# Allegro board ultrasound_tnr_1000a_01_20171121.brd (continued)
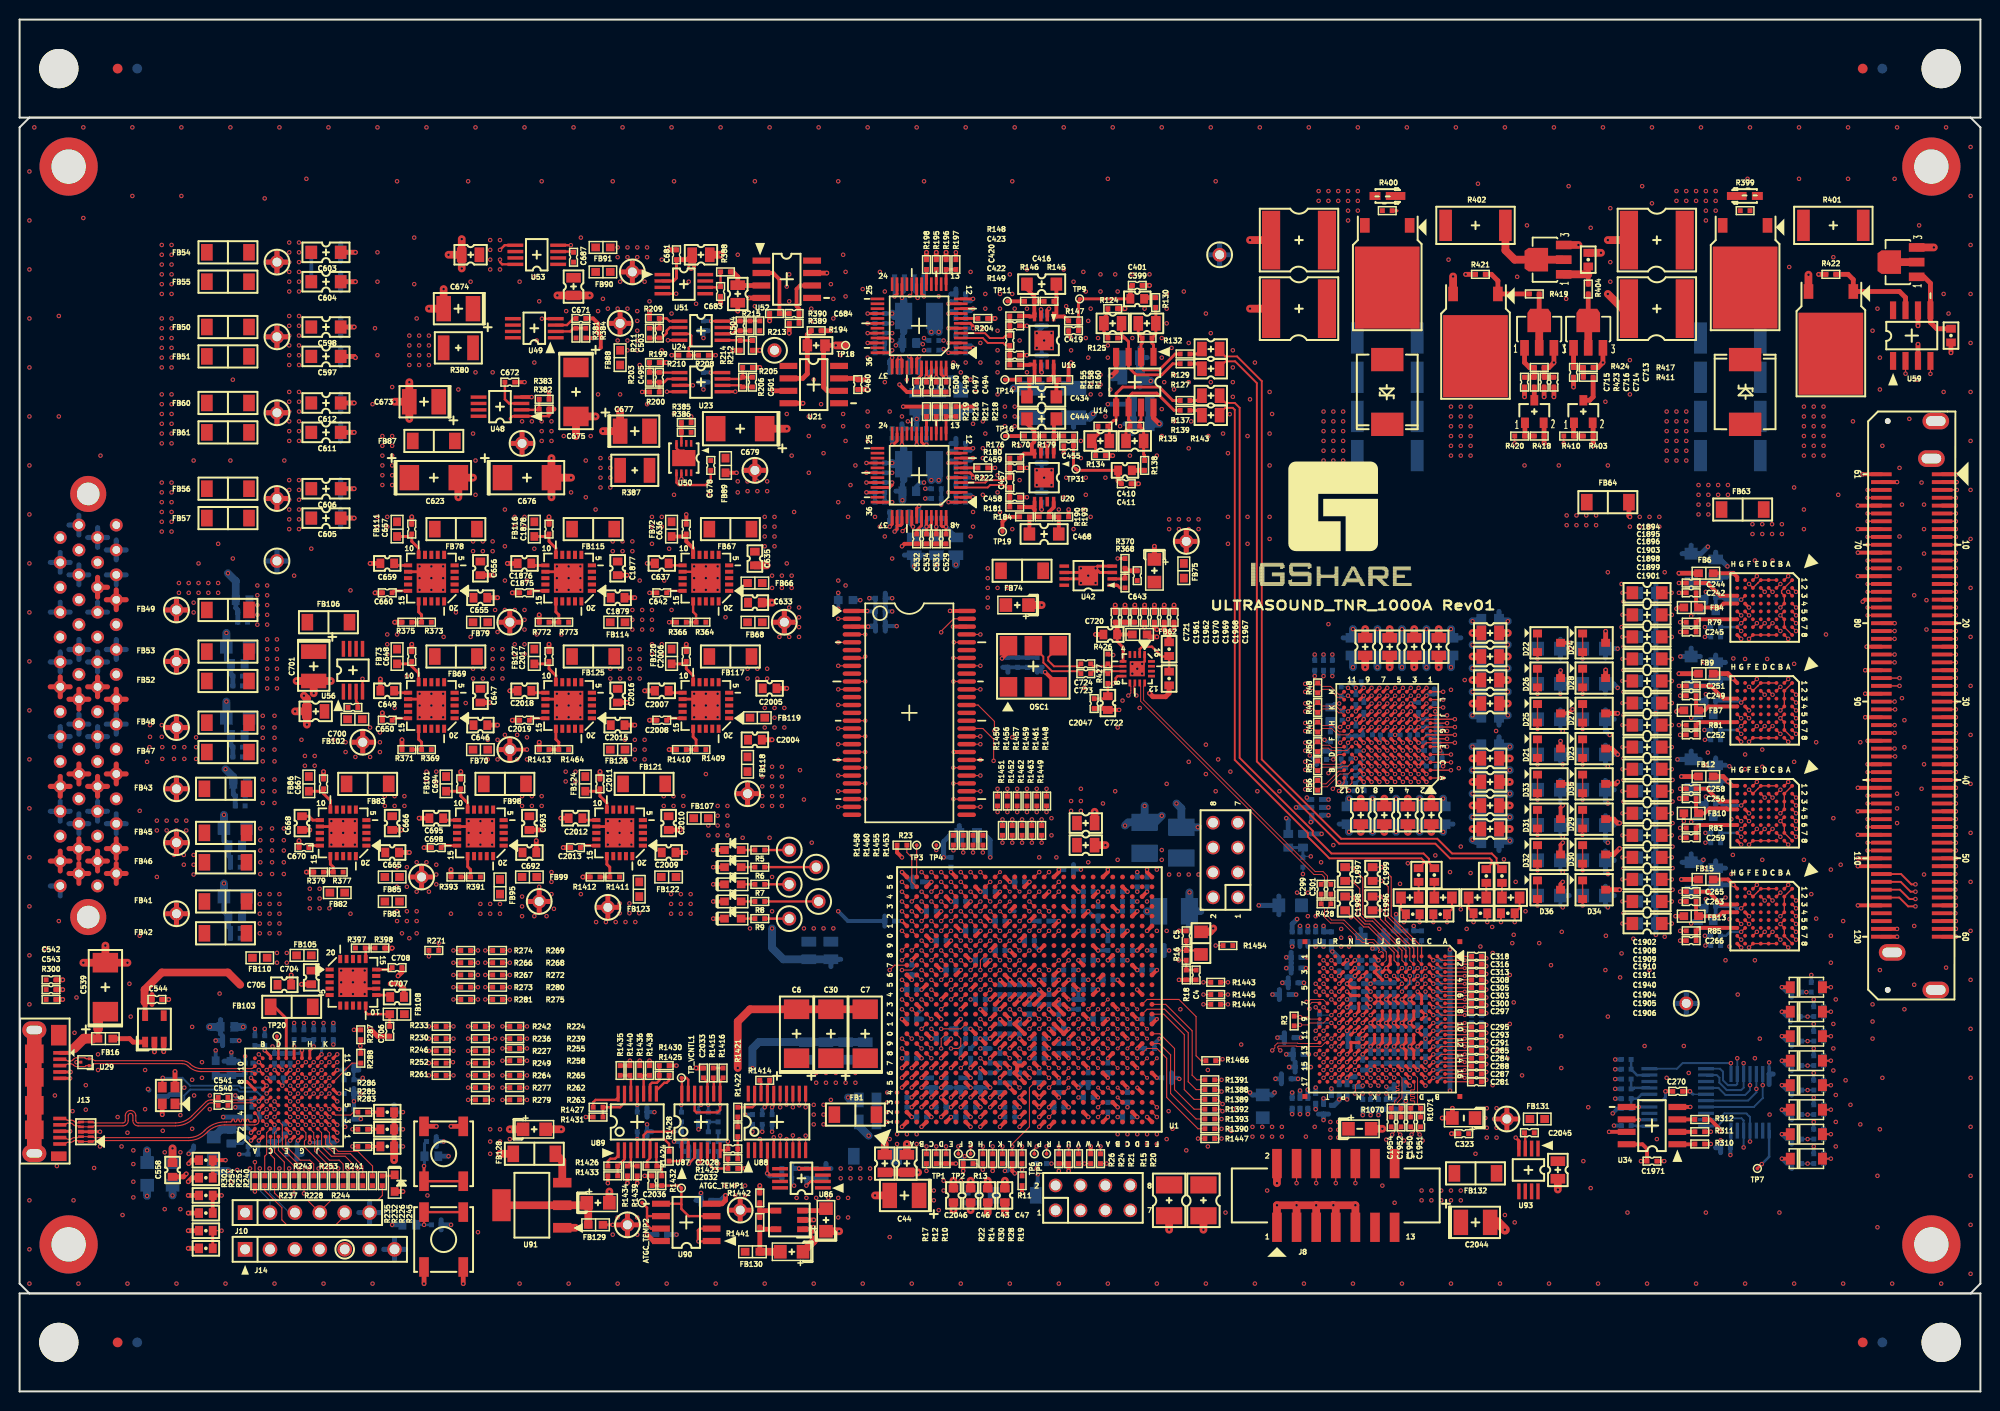
[diagram p0: board, top side]
## Routing (per net, layer and track width the routed paths; a pad name or vN(x,y) marks a point on that pad's centre or on a via; arc(x,y) is an arc through that point) (continued)
  BOTTOM w0.5: v1(131.7,58.1) 131.8,58.2 C219.2 ; C389.2 v1(127.8,40.5) ; v1(138,45.2) 138.26,45.2 C325.2 ; C557.1 v1(20.77,28) ; R1039.1 v1(166.9,64.6) ; C611.2 v1(34.12,97.88) ; v1(163,71.8) 162.6,72.2 L9.1 ; C2023.2 v1(68.25,23.25) ; L16.1 161.76,49.64 v1(162,49.4) ; v1(128,30.5) 127.76,30.26 C394.2 125.74,30.26 v1(125.5,30.5) ; C365.2 130.6,45.4 ; C352.2 v1(138.6,37.6) C327.2 ; C50.2 108.5,31.5 v1(108,31) ; C392.2 v1(128.3,36.1) ; R1074.1 129.4,58.3 v1(129.2,58.5) ; C328.2 v1(141.8,37.6) C326.2 142.2,38.3 142.3,38.4 C337.2 C336.2 ; v1(131.3,60.6) 131.5,60.4 C222.2 ; C369.2 v1(129.8,28.3) ; L11.1 161.76,56.24 v1(162,56) ; C346.2 v1(139.4,37.6) C351.2 ; R1031.1 v1(166.9,71.4) ; C376.2 v1(133,45.4) ; C347.2 v1(141,37.6) C344.2 ; C356.2 C357.2 v1(138.6,28.2) ; C370.2 v1(134.6,29.8) 134.6,29.7 134.1,29.2 C372.2 ; R1047.1 v1(166.9,46.6) ; C382.2 138.7,43.1 v1(138.6,43.2) C383.2 ; C386.2 v1(129.2,44.3) ; C391.2 v1(129.2,34.4) ; v1(94.25,54.5) 94.25,56.11 94.89,56.75 C76.2 ; C626.2 C627.2 21.3,54.7 C625.2 20.84,56.21 C628.2 ; v1(162,52.8) 161.76,53.04 L15.1 ; C348.2 v1(141.8,32.8) ; C262.2 v1(171.9,63.9) ; C360.2 C354.2 C333.2 v1(141,32.8) ; R1024.1 v1(166.9,78.1) ; C617.1 21.8,60.95 C619.1 C618.1 ; C374.2 v1(126.4,49.6) ; v1(17.25,24.25) 17.75,24.75 17.75,25.05 ; C322.2 v1(137.8,32.8) C362.2 C361.2 ; C339.2 C324.2 135.5,36.7 v1(135.4,36.8) ; C377.2 v1(129.8,45.4) ; C599.2 21.09,74.71 C600.2 21.55,73.2 C601.2 C602.2 ; v1(162,63.8) 161.76,64.04 L3.1 ; C631.2 C632.2 21.55,65.95 C630.2 21.09,67.46 C629.2 ; C604.2 v1(34.25,113.25) ; R1026.1 v1(166.9,75.9) ; R1022.1 v1(166.9,80.4) ; C353.2 v1(137.8,37.6) ; C364.2 v1(137.8,41.6) ; v1(137,31.2) 136.9,31.1 C373.2 ; C268.2 171.5,54 v1(171.75,54.25) ; v1(136.2,42.4) 136.1,42.3 C380.2 ; v1(135.4,40) C340.2 C343.2 ; C562.1 22.4,29.8 v1(22,30.2) ; L5.1 161.76,67.44 v1(162.2,67) ; L13.1 161.76,60.24 v1(162,60) ; C367.2 131.4,45.4 ; v1(13.1,30.85) 13.2,30.75 ; C332.2 C331.2 C329.2 ; C597.2 34.12,105.62 v1(34.25,105.5) ; C341.2 v1(135.4,39.2) ; C387.2 v1(129.2,43.2) ; R1057.1 v1(166.9,55.6) ; C546.1 v1(32,37.6) ; C390.2 v1(128.1,31.9) ; C379.2 v1(132.2,28.8) ; C363.2 v1(137,28.2) ; C247.2 171.5,85.5 v1(172.2,86.2) ; C255.2 v1(171.8,74.4) ; C368.2 v1(131.4,28.3) ; C378.2 v1(130.6,28.3) ; R1053.1 v1(166.9,60.1) ; C385.2 v1(135.4,29.8) ; R1045.1 v1(166.9,48.9) ; C393.2 v1(129.5,33.1) ; C381.2 134.6,44.2 v1(133.9,44.9) 133.8,45 C371.2 ; C615.2 C614.2 21.3,47.45 C613.2 20.84,48.96 C616.2 ; R1465.1 132.85,65.35 132.8,65.4 ; C384.2 v1(133,27.7) ; R1037.1 v1(166.9,66.9) ; C269.2 v1(171.85,53.4) ; R1043.1 v1(166.9,51.1) ; C612.2 v1(34.12,100.88) ; C549.1 v1(20,35.8) ; C536.1 v1(44,17) ; C350.2 v1(140.2,37.6) C345.2 ; v1(141.39,29.65) 141.39,29.49 140.7,28.8 C355.2 ; R1033.1 v1(166.9,69.2) ; C606.2 v1(34.12,92.12) ; C596.2 C595.2 22.25,79.75 22.05,79.95 C594.2 ; C2025.2 v1(69.25,26.75) ; C359.2 v1(137.8,28.2) ; C397.2 v1(111,100.75) ; C320.2 v1(142.6,32.8) ; C248.2 173.5,84.9 v1(174.2,84.2) ; L6.1 v1(163,75.8) ; R1051.1 v1(166.9,62.4) ; C338.2 v1(143.4,36) C335.2 ; C561.1 v1(22,29) ; C375.2 v1(132.2,45.4) ; C261.2 v1(169.1,64.5) ; R1437.1 v1(66.75,25.5) ; R1040.1 v1(166.9,73.6) ; C254.2 v1(169.4,75) ; C598.2 v1(34.12,108.62) ; C2038.2 v1(69.5,20.25) ; C2037.2 v1(67,16) ; C535.2 v1(43.25,25.5) ; v1(145.9,45.1) C319.1 C317.1 C315.1 C310.1 C306.1 C304.1 C302.1 C298.1 C296.1 C294.1 C292.1 C290.1 C289.1 C283.1 C282.1 C286.1 v1(145.9,30.7) ; C223.2 v1(130.2,59.6) ; C388.2 v1(128.8,41.7) ; R1041.1 v1(166.9,53.4) ; R1055.1 v1(166.9,57.9) ; C550.1 v1(34.8,27.8) ; C605.2 v1(34.12,89.12) ; C603.2 v1(34.25,116.25) ; C366.2 v1(138.6,44)
  BOTTOM w0.508: 150.9,57.6 C148.2 150.9,59.6 ; 150.9,68 C168.2 150.9,70 ; 150.9,79.6 C164.2 150.9,77.6 ; 115.02,103.5 C403.2 114.28,102.5 ; 150.9,60 C141.2 150.9,62 ; 150.9,72.8 C170.2 150.9,74.8 ; 146.2,57.9 C155.2 144.2,57.9 ; 150.9,62.4 C147.2 150.9,64.4 ; 150.9,70.4 C169.2 150.9,72.4 ; 174,53.4 C269.2 173,54.15 ; 96,99.35 C493.2 97,100.1 ; 139.5,76.9 C174.2 137.5,76.9 ; 173,85.65 C248.2 172,84.9 ; 134.6,57.9 C150.2 136.6,57.9 ; 135,76.9 C177.2 137,76.9 ; 114.28,106.5 C402.2 115.02,105.5 ; 150.9,77.2 C171.2 150.9,75.2 ; 82.75,43.35 C113.2 83.75,44.1 ; 137,57.9 C156.2 139,57.9 ; 150.9,57.2 C149.2 150.9,55.2 ; 142.5,76.9 C175.2 144.5,76.9 ; 145,76.9 C179.2 147,76.9 ; 90.25,85.35 C533.2 92.25,85.35 ; 112.73,98.75 C395.2 113.47,97.75 ; 174,74.4 C255.2 173,75.15 ; 150.9,64.8 C145.2 150.9,66.8 ; 141.8,57.9 C151.2 143.8,57.9 ; 141.4,57.9 C157.2 139.4,57.9 ; 128.44,50.55 C374.2 128.44,48.65 ; 173,64.65 C262.2 174,63.9 ; 139.16,47.05 C325.2 139.16,45.15 ; 95.85,55.75 C76.2 95.85,57.75 ; 142,76.9 C178.2 140,76.9
  BOTTOM w0.515: 167.65,59 R1055.1 166.9,59.87 ; 96,30.5 C116.2 95.5,31 ; C538.2 16.3,30.3 ; C538.2 15.29,30.3 ; C538.2 15.8,30.8 ; 91.5,28.5 C124.2 91.5,27.5 ; 110.5,41.5 C100.2 110.5,42.51 ; 94.5,30.5 C119.2 95,31 ; 99.5,30.5 C118.2 100.5,30.5 ; 20.7,36.3 C549.1 20.7,35.3 ; 116.75,45.51 C101.2 116.75,44.49 ; 82.25,23.26 C2022.2 82.75,22.75 ; 94.5,28.5 C126.2 94.5,29.5 ; 99.5,47.49 C62.2 99.5,48.51 ; 141.71,30.5 C330.2 141.2,30 ; J14.7 38.24,15.6 ; J14.7 39.34,14.5 ; J14.7 38.24,13.4 ; J14.7 37.14,14.5 ; 94.5,43.51 C75.2 94.5,42.49 ; 3.13,79.53 J12.45 ; J12.45 4.14,80.54 ; J12.45 5.15,79.53 ; 167.65,74.75 R1040.1 166.9,75.62 ; 20.5,36.45 C564.1 20.5,37.95 ; 8.85,83.33 J12.52 ; J12.52 9.86,82.32 ; J12.52 10.87,83.33 ; 4.14,50.57 J12.1 3.13,51.59 ; 104.75,91.75 C452.2 103.75,91.75 ; 167.65,68 R1037.1 166.9,68.87 ; 166.9,55.37 R1041.1 167.65,54.5 ; 170.5,65.35 C261.2 171.42,64.5 ; 144.3,71.7 C229.2 143.79,71.2 ; 129.9,34.91 C391.2 129.9,33.89 ; 25.19,84.75 TH14.1 ; TH14.1 27.31,84.75 ; TH14.1 26.25,85.81 ; TH14.1 26.25,83.69 ; 93.5,36.5 C111.2 93.5,35.5 ; 109.5,31.5 C50.2 109,31 ; 161.76,76.75 L6.1 161.76,74.85 ; 78.75,23.26 C2024.2 79.25,22.75 ; 88.3,79.09 C719.1 88.3,80.11 ; 166.9,62.12 R1053.1 167.65,61.25 ; 88.3,78.61 C718.1 88.3,77.59 ; 5.04,88.42 6.05,88.42 ; 6.05,88.42 6.05,89.43 ; 6.05,88.42 6.05,87.4 ; J10.6 36.8,18.25 ; J10.6 35.7,17.15 ; J10.6 34.6,18.25 ; J10.6 35.7,19.35 ; 34.1,30.91 C548.1 34.1,29.89 ; 167.65,70.25 R1033.1 166.9,71.12 ; 171.5,81 C243.2 172,80.5 ; 32.75,109.55 C598.2 32.75,107.7 ; 167.65,50 R1045.1 166.9,50.87 ; 97.5,31 C117.2 98,30.5 ; 169.58,85.5 C247.2 170.5,86.35 ; 144.3,66.7 C221.2 144.81,66.2 ; 98.5,50.49 C79.2 98.5,51.51 ; J12.53 4.14,85.62 ; J12.53 4.14,83.59 ; J12.53 3.13,84.61 ; J12.53 5.15,84.61 ; 90.05,106.25 C514.2 90.05,107.75 ; 128.5,40 C389.2 128.5,41 ; 172,48.99 C264.2 171.5,49.5 ; 180.62,37.75 C273.2 180.62,38.75 ; 31.5,25.91 C551.1 31.5,24.89 ; 111.5,50.49 C80.2 111.5,51.51 ; 169.58,54 C268.2 170.5,54.85 ; 89.39,91.88 C478.2 90.05,92.62 ; 166.9,77.87 R1026.1 167.65,77 ; 91.5,42.5 C64.2 90.5,42.5 ; 166.9,57.62 R1057.1 167.65,56.75 ; 91.1,51.49 C69.2 91.1,52.51 ; 161.76,65.95 L3.1 162.65,65 ; 103.5,31.5 C74.2 104.5,31.5 ; 104.31,73.9 C1965.2 103.8,73.4 ; 132.5,28.3 C384.2 133.5,28.3 ; 180.75,32.75 C275.2 180.75,33.75 ; 110.5,48.5 C98.2 110,47.99 ; 43,16.5 C536.1 43,17.5 ; 101.5,52.51 C81.2 101.5,51.49 ; J12.46 7.95,80.54 ; J12.46 6.94,79.53 ; J12.46 8.96,79.53 ; 66,15.5 C2037.2 66,16.5 ; 38.2,25.75 R278.1 38.2,24.25 ; 180.75,41.25 C272.2 180.75,40.25 ; 172,70 C250.2 171.5,70.5 ; 64.5,26.5 C2034.2 64,25.99 ; 166.9,53.12 R1043.1 167.65,52.25 ; 112.5,27.5 C59.2 112.5,28.5 ; 109.5,37.5 C52.2 109.5,38.5 ; 157.16,73.15 L8.1 158.05,72.2 ; 99.5,44.49 C63.2 99.5,45.51 ; 42.5,24.99 C535.2 42.5,26 ; 162.65,50.6 L16.1 161.76,51.55 ; 140.09,47 C2000.1 140.6,47.51 ; 157.16,55.15 L14.1 158.05,54.2 ; 166.9,64.37 R1051.1 167.65,63.5 ; 105.5,29.5 C57.2 105.5,28.5 ; 103.75,94.75 C462.1 104.75,94.75 ; 91,98.25 C511.2 91.5,98.75 ; 161.76,69.55 L5.1 162.65,68.6 ; 168.94,39.6 TH13.1 ; TH13.1 170,38.54 ; TH13.1 171.06,39.6 ; TH13.1 170,40.66 ; 38.2,27.75 R290.1 38.2,29.25 ; 95,112 C486.2 95.5,112.5 ; 157.16,69.55 L4.1 158.05,68.6 ; 112.5,29.5 C51.2 113.5,29.5 ; 88.3,80.44 C717.1 88.3,81.45 ; 103.75,108.75 C428.1 104.75,108.75 ; 161.76,58.75 L11.1 162.65,57.8 ; 20.85,33.7 C556.1 22.35,33.7 ; 108.5,30.5 C53.2 108.5,29.5 ; 105.5,42.51 C26.2 105.5,41.5 ; 69,19.5 C2038.2 69.5,18.99 ; 171.5,60 C257.2 172,59.49 ; 106.5,36.5 C42.2 106.5,37.5 ; 93.5,45.49 C65.2 93.5,46.51 ; 64,29 C2035.2 64,28 ; 166.9,80.12 R1024.1 167.65,79.25 ; 102.5,38.5 C9.2 103.5,38.5 ; 109.5,43.49 C86.2 109.5,44.51 ; 93,30.5 C115.2 93.5,31 ; 110.5,32.5 C49.2 111.5,32.5 ; 68,25.5 R1437.1 67.5,24.99 ; 97.5,39.5 C17.2 97.5,40.5 ; 141.71,31.3 C349.2 141.2,31.8 ; 107.5,52.74 C96.2 107.5,53.76 ; 117.5,31.5 C56.2 117.5,32.5 ; 32.75,117.17 C603.2 32.75,115.33 ; 88.25,48.51 C109.2 88.25,47.49 ; 104.75,105.75 C418.2 103.75,105.75 ; 95.5,50.51 C67.2 95.5,49.49 ; 32.75,91.2 C606.2 32.75,93.05 ; 122.4,114.94 TH12.1 ; TH12.1 121.34,116 ; TH12.1 122.4,117.06 ; TH12.1 123.46,116 ; 90,98.75 C509.2 90.5,98.25 ; 129,36.61 C392.2 129,35.59 ; 38.2,27.5 R284.1 38.2,26 ; 69.25,103 C491.2 70.25,103 ; 129.7,42.7 C387.2 129.7,43.7 ; 108.5,40 C32.2 107.5,40 ; 92.5,49.51 C66.2 92.5,48.49 ; 69.25,108.25 C502.2 70.25,108.25 ; C537.2 15.11,30.1 ; C537.2 14.1,30.1 ; C537.2 14.6,29.59 ; 95,37 C112.2 95.5,36.5 ; 180.75,27.75 C278.2 180.75,28.75 ; 114.5,43.51 C103.2 114.5,42.49 ; 166.9,66.62 R1039.1 167.65,65.75 ; 97.5,43.49 C73.2 97.5,44.51 ; 161.76,62.35 L13.1 162.65,61.4 ; 90.5,41.5 C108.2 90.5,40.5 ; 32.75,90.05 C605.2 32.75,88.2 ; 32.75,114.17 C604.2 32.75,112.33 ; 96.5,47.51 C70.2 96.5,46.49 ; 6.05,82.32 J12.51 ; J12.51 7.06,83.33 ; J12.51 6.05,84.35 ; J12.51 5.04,83.33 ; 180.75,22.74 C280.2 180.75,23.76 ; 25.5,25.5 C553.1 26,24.99 ; 157.16,76.75 L7.1 157.16,74.85 ; 101.75,23.25 R29.2 100.75,23.25 ; 173.5,24.37 C271.2 173,24.88 ; 112.5,47.51 C90.2 112.5,46.49 ; 106.5,30.5 C72.2 105.5,30.5 ; 128.7,31.39 C390.2 128.7,32.41 ; 170.5,75.85 C254.2 171.42,75 ; 107.5,98.37 C429.2 105.95,99.38 ; 90.5,34.5 C107.2 90.5,33.5 ; 129.7,44.8 C386.2 129.7,43.8 ; 129.4,42.2 C388.2 129.4,41.2 ; 32.75,106.55 C597.2 32.75,104.7 ; 109.5,46.49 C89.2 109.5,47.51 ; 95.5,28.5 C125.2 95.5,27.5 ; 167.65,81.5 R1022.1 166.9,82.37 ; 158.05,65 L2.1 157.16,65.95 ; 115.5,37.5 C48.2 115.5,38.5 ; 158.05,50.6 L17.1 157.16,51.55 ; 166.9,48.62 R1047.1 167.65,47.75 ; 161.76,71.25 L9.1 161.76,73.15 ; 180.75,30.25 C277.2 180.75,31.25 ; 34.1,33.3 C574.1 34.6,32.8 ; 95.5,97.25 C517.2 95,96.75 ; 162.65,54.2 L15.1 161.76,55.15 ; 68.25,25.01 C2023.2 67.75,24.5 ; 96.25,19.25 R32.2 96.75,18.74 ; 144.5,67.3 C227.2 145,67.8 ; 32.75,99.95 C612.2 32.75,101.8 ; 130.1,33.61 C393.2 130.1,32.59 ; 132.3,65 R66.2 132.3,63.99 ; 100.3,73.9 C1963.2 100.8,73.4 ; 180.75,26.25 C279.2 180.75,25.24 ; 180.75,35.25 C274.2 180.75,36.25 ; 102.5,45.49 C88.2 102.5,46.51 ; 167.65,72.5 R1031.1 166.9,73.37 ; 32.75,96.95 C611.2 32.75,98.8 ; 98.5,34.5 C8.2 99,35 ; 178.45,31.32 U9.7 178.87,32.39 ; 28.3,23.7 C567.1 28.8,24.2 ; 157.16,58.75 L10.1 158.05,57.8 ; 91.5,37.5 C110.2 92,38 ; 158.05,61.4 L12.1 157.16,62.35
  BOTTOM w0.762: 90.18,96.22 C477.2 90.18,93.03 ; 90.18,108.15 C513.2 90.18,111.35 ; 120.45,49 C106.2 119.32,47.4
  BOTTOM w0.8: C609.2 C29.2 C610.2 C31.2 75.4,35.65 74.75,35 v1(74.75,33) ; C156.2 v1(138,57.1) ; C113.2 C77.2 77.9,44.1 76.75,45.25 v1(76.75,47.25) ; C105.2 115.82,58.07 v1(116.5,58.75) ; C105.2 113.07,58.07 v1(112.75,57.75) ; C105.2 v1(114.75,59.75) ; C599.2 v1(21.09,77.41) ; C395.2 C397.2 ; v1(21,63.5) 21.8,62.7 C617.1 ; C478.2 v1(90.05,90.95) ; v1(86.6,26.1) 85.6,27.1 C120.2 ; C168.2 v1(151.8,69) ; v1(21.25,83.5) 22.05,82.7 C594.2 ; C477.2 89.12,94.62 v1(89,94.75) ; v1(109.5,99.75) 109.12,99.38 C429.2 ; C106.2 v1(119.32,50.93) ; C564.1 v1(19.4,37.2) ; C616.2 v1(20.84,51.84) ; C141.2 v1(152,61) ; v1(118,60) 118.5,59.5 C92.2 v1(120.18,57.57) ; C170.2 v1(151.8,73.8) ; C528.2 v1(95.5,84.38) ; C628.2 v1(20.84,58.84) ; C148.2 v1(152,58.6) ; C169.2 v1(151.8,71.4) ; C178.2 v1(141,77.8) ; C493.2 C496.2 C498.2 v1(91.5,99.25) ; v1(115.37,103.12) 114.65,103.12 C403.2 C402.2 ; v1(84.5,30) 84.75,29.75 C121.2 ; C155.2 v1(145.2,57.1) ; C177.2 v1(136,77.8) ; v1(89,110) 89.25,109.75 C513.2 ; C179.2 v1(146,77.8) ; C147.2 v1(152,63.4) ; C145.2 v1(152,65.8) ; C157.2 v1(140.4,57.1) ; C151.2 v1(142.8,57.1) ; C533.2 v1(91.25,84.25) ; C164.2 v1(151.8,78.6) ; C150.2 v1(135.6,57.1) ; C174.2 v1(138.5,77.8) ; C629.2 v1(21.09,70.41) ; C171.2 v1(151.8,76.2) ; C530.2 v1(93.5,84.38) ; C175.2 v1(143.5,77.8) ; C149.2 v1(152,56.2) ; C417.1 v1(101.38,102.38)
  vias: v1(1,124.5) v1(1,119.5) v1(1,114.5) v1(1,109.5) v1(1,104.5) v1(1,99.5) v1(1,94.5) v1(1,89.5) v1(1,84.5) v1(1,79.5) v1(1,74.5) v1(1,69.5) v1(1,64.5) v1(1,59.5) v1(1,54.5) v1(1,49.5) v1(1,44.5) v1(1,39.5) v1(1,19.5) v1(1,14.5) v1(1,11) v1(1.5,129) v1(2.6,45.2) v1(3.6,30.2) v1(3.8,23) v1(4,109.75) v1(4,99.5) v1(4,48) v1(5.4,28.6) v1(5.5,19.5) v1(5.6,36.6) v1(5.8,40.2) v1(6,11) v1(6.5,129) v1(6.5,119.75) v1(6.75,31.25) v1(6.75,28.75) v1(7.6,22.8) v1(8,34.4) v1(8,32.8) v1(8.25,95.5) v1(8.2,25) v1(10,28) v1(10.4,25) v1(10.5,18) v1(11,26.4) v1(11,11) v1(11.2,41.6) v1(11.33,38.25) v1(11.5,129) v1(11.5,122) v1(12.25,59.25) v1(12.25,46.5) v1(12.8,32.8) v1(12.8,28.8) v1(13,64.25) v1(14,52.5) v1(14.6,26.6) v1(16,11) v1(16.4,28.2) v1(16.5,129) v1(16.5,122) v1(16.8,31) v1(17.6,37.2) v1(17.6,31.8) v1(17.6,26.8) v1(17.75,95) v1(17.8,30.2) v1(18.25,84.5) v1(18.6,33.6) v1(18.6,32) v1(19.4,30.2) v1(19.4,28.8) v1(20.25,86.5) v1(20.4,40.6) v1(21,11) v1(21.5,129) v1(21.5,95) v1(21.75,103.25) v1(21.75,85) v1(25,121.75) v1(26,11) v1(26.5,129) v1(27,95) v1(28,83.25) v1(28.75,66.5) v1(29.25,123.75) v1(29.75,86) v1(31,11) v1(31.5,129) v1(31.8,58.2) v1(31.8,57) v1(31.8,55.8) v1(32,66.5) v1(32.8,42.95) v1(32.8,41.75) v1(32.8,40.55) v1(33,58.2) v1(33,55.8) v1(33.75,81.75) v1(33.75,48.75) v1(34,42.95) v1(34,40.55) v1(34.2,58.2) v1(34.2,57) v1(34.2,55.8) v1(35.2,42.95) v1(35.2,41.75) v1(35.2,40.55) v1(36,100.75) v1(36,11) v1(36.25,108.5) v1(36.5,129) v1(36.5,116.25) v1(36.5,113.25) v1(36.5,105.75) v1(38,102.5) v1(38.25,69.75) v1(38.5,123.5) v1(39.5,73) v1(40.25,117.75) v1(40.25,113) v1(40.5,109.5) v1(40.8,84.2) v1(40.8,83) v1(40.8,81.8) v1(40.8,71.2) v1(40.8,70) v1(40.8,68.8) v1(41.5,129) v1(41.6,20) v1(42,84.2) v1(42,81.8) v1(42,71.2) v1(42,68.8) v1(43.2,84.2) v1(43.2,83) v1(43.2,81.8) v1(43.25,77) v1(43.2,71.2) v1(43.2,70) v1(43.2,68.8) v1(44,48.75) v1(44.5,79.5) v1(44.75,102.25) v1(45.5,70.25) v1(45.75,123.5) v1(45.8,58.2) v1(45.8,57) v1(45.8,55.8) v1(46,113.25) v1(46,77) v1(46.25,97.75) v1(46.5,129) v1(46.5,104) v1(46.5,95) v1(46.5,91.5) v1(46.75,16.25) v1(47,58.2) v1(47,55.8) v1(48.25,104) v1(48.2,58.2) v1(48.2,57) v1(48.2,55.8) v1(49.5,90) v1(49.5,86.25) v1(49.5,82.75) v1(51,113.25) v1(51,11) v1(51.5,129) v1(51.75,82.75) v1(52.5,113.75) v1(52.5,105) v1(52.5,86) v1(52.75,107.25) v1(52.75,77.25) v1(53,111.25) v1(53.25,123.5) v1(54.8,84.2) v1(54.8,83) v1(54.8,81.8) v1(54.8,71.2) v1(54.8,70) v1(54.8,68.8) v1(55.25,77.25) v1(55.5,97.5) v1(55.75,110.25) v1(56,84.2) v1(56,81.8) v1(56,71.2) v1(56,68.8) v1(56,11) v1(56.25,91.75) v1(56.5,129) v1(57.25,117.75) v1(57.2,84.2) v1(57.2,83) v1(57.2,81.8) v1(57.2,71.2) v1(57.2,70) v1(57.2,68.8) v1(57.25,50.75) v1(57.75,95) v1(57.75,91.25) v1(58.25,97.5) v1(58.75,90) v1(59,110.25) v1(59,101.75) v1(59.5,111.5) v1(60,58.2) v1(60,57) v1(60,55.8) v1(60.5,123.5) v1(61,11) v1(61.25,101.75) v1(61.2,58.2) v1(61.2,55.8) v1(61.5,129) v1(62.4,58.2) v1(62.4,57) v1(62.4,55.8) v1(63.25,104.75) v1(63.25,82.75) v1(64,100.75) v1(64.25,111.25) v1(64.5,86.5) v1(65.5,115.5) v1(65.5,106.25) v1(65.75,82.75) v1(66,11) v1(66.25,86) v1(66.5,129) v1(66.5,110) v1(66.5,79.75) v1(66.75,123.5) v1(66.75,99.75) v1(66.75,91.5) v1(68.25,113.25) v1(68.8,84.2) v1(68.8,83) v1(68.8,81.8) v1(68.8,71.2) v1(68.8,70) v1(68.8,68.8) v1(69,111) v1(70,84.2) v1(70,81.8) v1(70,71.2) v1(70,68.8) v1(70,63) v1(70.25,91.5) v1(71,11) v1(71.2,84.2) v1(71.2,83) v1(71.2,81.8) v1(71.2,71.2) v1(71.2,70) v1(71.2,68.8) v1(71.5,129) v1(72,79) v1(73.25,116) v1(73.75,56.5) v1(74.5,47.25) v1(75,123.5) v1(75,110.75) v1(76,11) v1(76.5,129) v1(76.5,56.5) v1(76.75,52.5) v1(76.75,49) v1(78.25,112.75) v1(78.25,99.75) v1(78.25,84.5) v1(78.5,114) v1(78.5,111.25) v1(78.75,95.5) v1(79,89.75) v1(79.6,63.4) v1(80,60.4) v1(80.5,99.5) v1(80.5,97.5) v1(80.5,93.75) v1(80.75,110.5) v1(80.75,109.25) v1(80.8,56) v1(81,103.25) v1(81,11) v1(81.5,129) v1(81.75,100.75) v1(82,98.5) v1(82,95.75) v1(82.75,113) v1(83,111.5) v1(83,109.5) v1(83.5,123.5) v1(83.5,90.75) v1(83.75,105.75) v1(84,116) v1(84,99.75) v1(84,98.5) v1(84.25,114.25) v1(84.25,111.75) v1(84.25,97) v1(84.5,89.25) v1(84.75,92.5) v1(85.25,94.5) v1(86,112.5) v1(86,90.75) v1(86,11) v1(86.5,129) v1(86.5,105.5) v1(86.5,100) v1(86.5,98.5) v1(86.5,97) v1(87.25,89.25) v1(87.75,114.25) v1(87.75,88.25) v1(88.25,112.25) v1(88.25,103) v1(88.25,87.25) v1(88.75,100) v1(88.75,15.75) v1(89,85) v1(90,99.5) v1(91,11) v1(91.5,129) v1(92.25,123.5) v1(93.75,111.75) v1(95.25,105) v1(96,104) v1(96,11) v1(96.5,129) v1(96.5,105) v1(97,114.25) v1(97,103.25) v1(97,87.25) v1(97.25,98.75) v1(97.25,89.75) v1(97.25,88.25) v1(97.5,102) v1(98,107) v1(98,105) v1(98.25,108.5) v1(98.25,99) v1(98.25,96.25) v1(98.25,95.25) v1(98.25,93.25) v1(98.25,91.5) v1(98.5,112) v1(98.5,110.5) v1(98.5,97.75) v1(99.75,108.25) v1(99.75,106.25) v1(99.75,105) v1(99.75,104) v1(99.75,101.75) v1(99.75,93.5) v1(99.75,91.75) v1(100,112) v1(100,110.5) v1(100,96.25) v1(100,95.25) v1(100,89.75) v1(101,114) v1(101,11) v1(101.25,123.5) v1(101.25,112) v1(101.25,88) v1(101.25,66.75) v1(101.5,129) v1(101.5,110.5) v1(102,107.25) v1(102,96.5) v1(102,93) v1(102.75,114.5) v1(102.75,110.5) v1(102.75,104) v1(103.75,106.5) v1(103.75,94) v1(103.75,92.5) v1(104,54.5) v1(105.25,108) v1(105.25,106.5) v1(105.25,94) v1(105.25,92.5) v1(105.25,58.5) v1(105.25,56.75) v1(105.75,54.5) v1(106,90) v1(106,11) v1(106.5,129) v1(106.5,114.5) v1(106.5,91.25) v1(106.75,110.75) v1(106.75,93.25) v1(107.25,106.25) v1(107.5,113.25) v1(107.5,88) v1(108.25,97) v1(108.25,95.25) v1(108.25,84) v1(108.25,82.5) v1(108.25,61.5) v1(108.5,114.25) v1(108.5,90) v1(108.6,71.8) v1(108.75,112.25) v1(108.75,107.5) v1(108.75,93.25) v1(108.75,91.5) v1(109,109.25) v1(109,105.5) v1(109,54) v1(109.25,110.5) v1(109.25,89.25) v1(109.75,82.5) v1(110,107.5) v1(110.25,114) v1(110.25,112.25) v1(110.5,60) v1(110.75,99.5) v1(110.75,93.25) v1(111,123.75) v1(111,106.75) v1(111,105.5) v1(111,11) v1(111.25,102.25) v1(111.5,129) v1(111.75,114) v1(111.75,61.25) v1(112,112.25) v1(112,67.75) v1(112,54.25) v1(112.25,98.5) v1(112.5,70.5) v1(113.25,95.5) v1(113.5,114) v1(113.5,107.5) v1(113.5,74.25) v1(113.5,73.25) v1(114.25,69.75) v1(114.5,73.25) v1(114.75,110.5) v1(115.25,114) v1(116,95.5) v1(116,11) v1(116.5,129) v1(116.5,107.5) v1(116.5,105.5) v1(116.5,100.25) v1(116.5,97.5) v1(116.75,103) v1(117,112) v1(117,110.5) v1(117,109) v1(117,62) v1(117.2,28.6) v1(117.5,106.5) v1(117.6,26.8) v1(117.75,103.75) v1(117.75,102.25) v1(117.75,99) v1(118.4,39) v1(118.75,112.25) v1(119,24.6) v1(119.25,107) v1(119.25,103) v1(119.25,96.25) v1(119.25,64.25) v1(119.5,99) v1(121,110) v1(121,66) v1(121,63) v1(121,11) v1(121.25,97.5) v1(121.2,32.8) v1(121.2,25) v1(121.5,129) v1(121.5,108) v1(121.5,103) v1(122,123.5) v1(122,61.25) v1(122.25,64.5) v1(122.75,97.75) v1(123,18.25) v1(123.25,95.75) v1(123.25,89.25) v1(123.25,86.5) v1(123.43,99.73) v1(123.5,63.25) v1(123.6,26.6) v1(123.75,106.25) v1(123.75,104.5) v1(123.75,103) v1(123.75,101.5) v1(123.8,28.8) v1(124.6,35.4) v1(125.25,97.5) v1(125.25,89.25) v1(125.25,86.5) v1(125.5,101.25) v1(126,105) v1(126,11) v1(126.25,61.25) v1(126.5,129) v1(127.25,20.5) v1(127.5,102) v1(127.5,97.75) v1(127.5,94.5) v1(127.5,89.25) v1(127.5,87) v1(127.75,99.75) v1(128.5,61.25) v1(131,11) v1(131.2,26) v1(131.5,129) v1(132.75,54) v1(133.5,78.3) v1(134,55.75) v1(136,11) v1(136.5,129) v1(139,21) v1(139.4,25.7) v1(140.25,19.25) v1(140.8,51.8) v1(141,11) v1(141.2,25.6) v1(141.5,129) v1(141.6,53.9) v1(143.1,25.6) v1(144.4,54.7) v1(144.8,47.2) v1(145.75,115.5) v1(145.9,53) v1(146,71.6) v1(146,11) v1(146.5,129) v1(146.8,63.6) v1(147,55.6) v1(147,49.2) v1(147.4,72.6) v1(147.6,47.2) v1(148,52.9) v1(148.5,24.25) v1(148.75,123.25) v1(149,45.4) v1(150.2,47.4) v1(150.25,44.75) v1(150.25,31.25) v1(150.6,67.4) v1(150.75,34.75) v1(151,11) v1(151.4,54.3) v1(151.5,129) v1(151.5,18) v1(151.75,34) v1(152,42.5) v1(152,37.5) v1(152.25,45.75) v1(152.4,46.6) v1(152.4,39.7) v1(152.5,17.25) v1(152.6,52) v1(152.75,113.75) v1(153.25,32.25) v1(153.5,94.5) v1(153.6,49) v1(153.75,119) v1(154,35) v1(155,45.75) v1(156,11) v1(156.2,43.5) v1(156.5,129) v1(157,94.5) v1(157.25,36.25) v1(157.25,33) v1(157.3,46.9) v1(157.75,111.5) v1(158,123) v1(159.5,23.5) v1(160,29) v1(160.25,118.75) v1(160.25,20.75) v1(161,11) v1(161.5,129) v1(161.75,101) v1(161.8,46.5) v1(161.75,43) v1(162,94.5) v1(162,83.6) v1(162,38.25) v1(162.25,120.75) v1(162.25,115.25) v1(162.25,113.25) v1(163.25,42.25) v1(163.4,82.4) v1(163.4,78) v1(163.4,44.7) v1(163.6,80.6) v1(163.6,76) v1(163.6,73.6) v1(163.6,71.4) v1(163.6,69) v1(163.6,64.6) v1(163.6,62.4) v1(163.6,60.2) v1(163.6,53.4) v1(163.6,48.8) v1(164,18.25) v1(164.25,105.25) v1(164.25,101.75) v1(164.6,46.2) v1(165.5,123) v1(165.75,35.25) v1(166,11) v1(166.25,43) v1(166.5,129) v1(166.5,121.25) v1(167,25.75) v1(167.8,83.6) v1(167.8,46.4) v1(168,32) v1(168.6,62.4) v1(168.6,60.2) v1(168.6,58) v1(168.6,55.6) v1(168.6,53.4) v1(168.6,51.2) v1(169.75,35.25) v1(170.25,32.5) v1(171,11) v1(171.5,129) v1(172,18.25) v1(172.2,65.2) v1(174,50.4) v1(174,44) v1(174.4,63.8) v1(174.4,48.2) v1(174.4,45.4) v1(174.6,58.4) v1(174.6,52.8) v1(174.8,74.8) v1(174.75,54.75) v1(175.25,40.5) v1(176,74.75) v1(176,65) v1(176,63.5) v1(176,11) v1(176.25,123.75) v1(176.5,129) v1(177,84.8) v1(177,44) v1(177,34) v1(177.5,36) v1(177.75,65.5) v1(177.75,63.75) v1(177.75,54.25) v1(178.25,74.75) v1(178.5,28.25) v1(178.8,84.8) v1(179.5,18.25) v1(180.5,114.75) v1(181,92.25) v1(181,74.25) v1(181,64.25) v1(181,11) v1(181.5,129) v1(181.5,123.75) v1(182,90) v1(182,88) v1(182,54.25) v1(182.75,63.75) v1(182.75,50.75) v1(183.25,66.25) v1(183.25,48.25) v1(184.25,77.25) v1(184.75,53.25) v1(184.75,46.5) v1(184.75,43.75) v1(185,115.75) v1(185,58.5) v1(185,37.5) v1(185,35) v1(185,32.75) v1(185.25,40) v1(185.25,30.25) v1(185.25,27.5) v1(185.25,25) v1(185.5,91.5) v1(185.75,53.75) v1(186,48) v1(186,11) v1(186.25,31.75) v1(186.5,129) v1(186.5,123.75) v1(186.75,29.25) v1(187,99) v1(187.75,66.25) v1(187.75,27.25) v1(189,108.25) v1(189,39.5) v1(189,37.75) v1(189,36) v1(189.5,110.5) v1(189.5,22) v1(189.5,16.75) v1(189.75,105.5) v1(189.75,102.25) v1(189.75,43) v1(189.75,26.75) v1(190,96.5) v1(190,32) v1(191,11) v1(191.25,123.75) v1(191.5,129) v1(191.5,61) v1(191.5,59.5) v1(191.5,58) v1(191.75,94.25) v1(191.75,87.25) v1(191.75,84) v1(192,90.5) v1(192,70.75) v1(192.25,68.5) v1(192.25,65.75) v1(192.25,39) v1(192.75,99.25) v1(193.25,81.25) v1(193.25,47.5) v1(193.25,41.5) v1(193.5,103.25) v1(193.75,119) v1(194,92.75) v1(194,61.5) v1(194.25,90.5) v1(194.25,88) v1(194.25,85.5) v1(194.25,64) v1(194.25,52.75) v1(194.5,80.75) v1(194.5,77.75) v1(196,11) v1(196.25,112) v1(196.25,102) v1(196.5,129) v1(196.5,43.25) v1(196.75,110) v1(199,127) v1(199,122) v1(199,117) v1(199,112) v1(199,107) v1(199,102) v1(199,97) v1(199,92) v1(199,87) v1(199,82) v1(199,77) v1(199,72) v1(199,67) v1(199,62) v1(199,57) v1(199,52) v1(199,47) v1(199,42) v1(199,37) v1(199,32) v1(199,27) v1(199,22) v1(199,17) v1(199,12)
